# Altium PCB AIR_MOUNT23.PcbDoc (part 1 of 4) (continued)
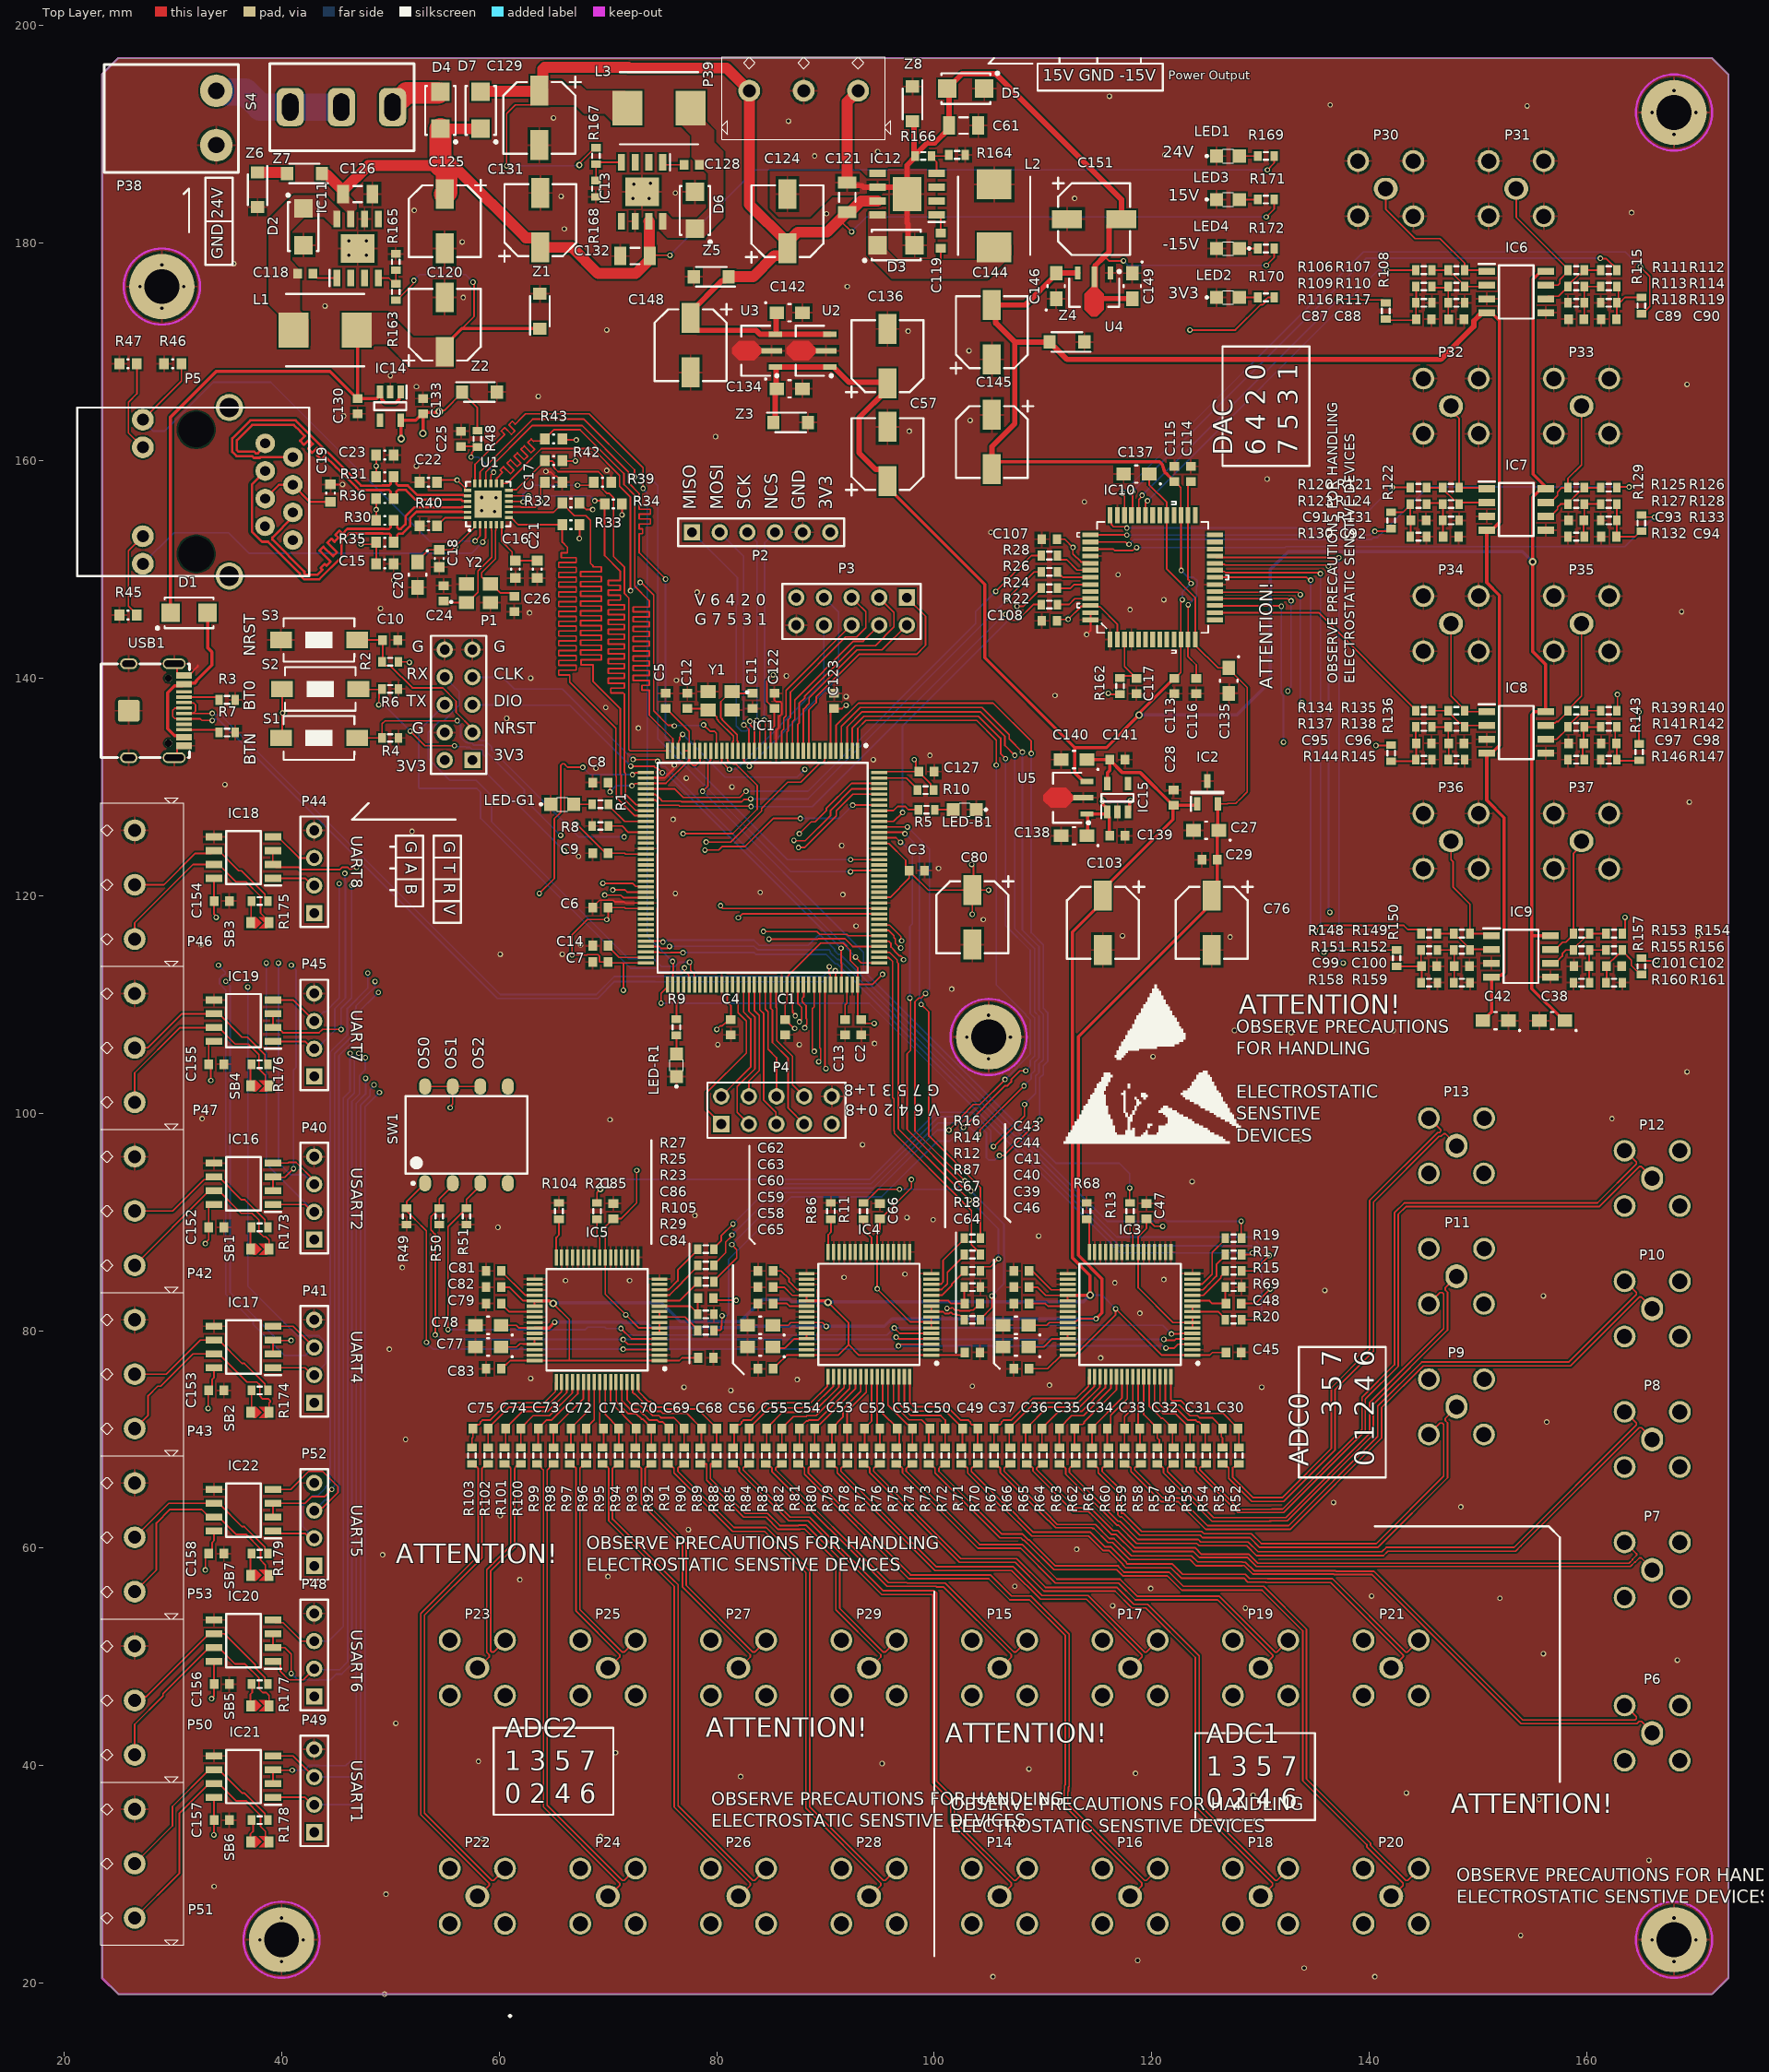
[diagram p0: Top Layer view]
## Components (designator, comment, footprint, x,y, rotation, side; value= is the part's Value field where it differs from the comment)
C1 "104" 1608[0603] 86.3,107.9 r90 top
C2 "104" 1608[0603] 93.3,107.9 r90 top
C3 "104" 1608[0603] 98.4,122.3 r180 top
C4 "104" 1608[0603] 81.3,107.9 r90 top
C5 "105" 1608[0603] 75.3,137.9 r270 top
C6 "104" 1608[0603] 69.3,118.9 r0 top
C7 "104" 1608[0603] 69.3,113.9 r0 top
C8 "104" 1608[0603] 69.3,130.4 r0 top
C9 "105" 1608[0603] 69.3,123.9 r0 top
C10 "104" 1608[0603] 50,143.5 r180 top
C11 "10pF" 1608[0603] 83.3,137.9 r270 top
C12 "10pF" 1608[0603] 77.3,137.9 r270 top
C13 "225" 1608[0603] 91.8,107.9 r90 top
C14 "225" 1608[0603] 69.3,115.4 r0 top
C15 "100nF" 0603C 49.5,150.5 r180 top
C16 "470pF" 0603C 61.5,150 r90 top value=100nF
C17 "100nF" 0603C 65,158 r180 top
C18 "100nF" 0603C 54.5,151 r90 top
C19 "100nF" 0603C 44.5,157 r270 top
C20 "10uF (106) ±10% 16V" CAPM3216X18N-CASE-A 52.5,149.5 r270 top
C21 "1uF_X5R_0603" 0603C 63.5,150 r270 top value=1�F
C22 "100nF" 0603C 53.5,158 r0 top
C23 "100nF" 0603C 49.5,160.5 r180 top
C24 "10pF" 1608[0603] 54.9,147.8 r90 top
C25 "104" 1608[0603] 56.5,162 r270 top
C26 "10pF" 1608[0603] 61.4,146.8 r90 top
C27 "10uF (106) ±10% 16V" CAPM3216X18N-CASE-A 125,126 r180 top
C28 "105" 1608[0603] 122,129 r270 top
C29 "105" 1608[0603] 125.3,123.3 r0 top
C30 "103" 1608[0603] 127.2,71 r0 top
C31 "103" 1608[0603] 124.2,71 r0 top
C32 "103" 1608[0603] 121.2,71 r0 top
C33 "103" 1608[0603] 118.2,71 r0 top
C34 "103" 1608[0603] 115.2,71 r0 top
C35 "103" 1608[0603] 112.2,71 r0 top
C36 "103" 1608[0603] 109.2,71 r0 top
C37 "103" 1608[0603] 106.2,71 r0 top
C38 "10uF (106) ±10% 16V" CAPM3216X18N-CASE-A 156.8,108.5 r180 top
C39 "10uF (106) ±10% 16V" CAPM3216X18N-CASE-A 107.5,78.5 r180 top
C40 "10uF (106) ±10% 16V" CAPM3216X18N-CASE-A 107.5,80.5 r180 top
C41 "105" 1608[0603] 108,82.5 r0 top
C42 "10uF (106) ±10% 16V" CAPM3216X18N-CASE-A 151.6,108.5 r180 top
C43 "105" 1608[0603] 108,85.5 r0 top
C44 "224" 1608[0603] 108,84 r0 top
C45 "224" 1608[0603] 127.5,78 r180 top
C46 "224" 1608[0603] 108,76.5 r0 top
C47 "224" 1608[0603] 119.5,91 r270 top
C48 "104" 1608[0603] 127.5,82.5 r180 top
C49 "103" 1608[0603] 103.3,71 r0 top
C50 "103" 1608[0603] 100.3,71 r0 top
C51 "103" 1608[0603] 97.3,71 r0 top
C52 "103" 1608[0603] 94.3,71 r0 top
C53 "103" 1608[0603] 91.3,71 r0 top
C54 "103" 1608[0603] 88.3,71 r0 top
C55 "103" 1608[0603] 85.3,71 r0 top
C56 "103" 1608[0603] 82.3,71 r0 top
C57 "100uF/35V" CAPAE7066X77L 95.7,160.6 r90 top
C58 "10uF (106) ±10% 16V" CAPM3216X18N-CASE-A 84,78.5 r180 top
C59 "10uF (106) ±10% 16V" CAPM3216X18N-CASE-A 84,80.5 r180 top
C60 "105" 1608[0603] 84.5,82.5 r0 top
C61 "106/50V" C1206 102.7,190.8 r0 top
C62 "105" 1608[0603] 84.5,85.5 r0 top
C63 "224" 1608[0603] 84.5,84 r0 top
C64 "224" 1608[0603] 103.5,78 r180 top
C65 "224" 1608[0603] 84.5,76.5 r0 top
C66 "224" 1608[0603] 95,91 r270 top
C67 "104" 1608[0603] 103.5,82.5 r180 top
C68 "103" 1608[0603] 79.3,71 r0 top
C69 "103" 1608[0603] 76.3,71 r0 top
C70 "103" 1608[0603] 73.3,71 r0 top
C71 "103" 1608[0603] 70.3,71 r0 top
C72 "103" 1608[0603] 67.3,71 r0 top
C73 "103" 1608[0603] 64.3,71 r0 top
C74 "103" 1608[0603] 61.3,71 r0 top
C75 "103" 1608[0603] 58.3,71 r0 top
C76 "100uF/35V" CAPAE7066X77L 125.5,117.5 r270 top
C77 "10uF (106) ±10% 16V" CAPM3216X18N-CASE-A 59,78.5 r180 top
C78 "10uF (106) ±10% 16V" CAPM3216X18N-CASE-A 59,80.5 r180 top
C79 "105" 1608[0603] 59.5,82.5 r0 top
C80 "100uF/35V" CAPAE7066X77L 103.5,118 r270 top
C81 "105" 1608[0603] 59.5,85.5 r0 top
C82 "224" 1608[0603] 59.5,84 r0 top
C83 "224" 1608[0603] 59.5,76.5 r0 top
C84 "224" 1608[0603] 79,77.5 r180 top
C85 "224" 1608[0603] 70.5,91 r270 top
C86 "104" 1608[0603] 79,83 r180 top
C87 "100p" 1608[0603] 145,173 r180 top
C88 "100p" 1608[0603] 148,173 r180 top
C89 "100p" 1608[0603] 159,173 r0 top
C90 "100p" 1608[0603] 162,173 r0 top
C91 "100p" 1608[0603] 144.5,154.5 r180 top
C92 "100p" 1608[0603] 147.5,153 r180 top
C93 "100p" 1608[0603] 159,154.5 r0 top
C94 "100p" 1608[0603] 162,153 r0 top
C95 "100p" 1608[0603] 145,134 r180 top
C96 "100p" 1608[0603] 148,134 r180 top
C97 "100p" 1608[0603] 159,134 r0 top
C98 "100p" 1608[0603] 162,134 r0 top
C99 "100p" 1608[0603] 145.5,113.5 r180 top
C100 "100p" 1608[0603] 148.5,113.5 r180 top
C101 "100p" 1608[0603] 159.5,113.5 r0 top
C102 "100p" 1608[0603] 162.5,113.5 r180 top
C103 "100uF/35V" CAPAE7066X77L 115.5,117.5 r270 top
C107 "104" 1608[0603] 110.579,152.764 r0 top
C108 "104" 1608[0603] 110.579,145.264 r0 top
C113 "104" 1608[0603] 122.079,139.264 r90 top
C114 "104" 1608[0603] 123.579,158.764 r270 top
C115 "104" 1608[0603] 122.079,158.764 r90 top
C116 "104" 1608[0603] 124.079,139.264 r270 top
C117 "104" 1608[0603] 118.579,139.264 r90 top
C118 "104" 1608[0603] 42.2,177.2 r0 top
C119 "104" 1608[0603] 100.6,180.2 r90 top
C120 "100uF/35V" CAPAE7066X77L 55,172.5 r90 top
C121 "106/50V" C1206 92,184.2 r90 top
C122 "104" 1608[0603] 85.3,137.9 r270 top
C123 "104" 1608[0603] 90.8,137.9 r270 top
C124 "100uF/35V" CAPAE7066X77L 86.5,182 r90 top
C125 "100uF/35V" CAPAE7066X77L 55,182 r270 top
C126 "106/50V" C1206 47,184.5 r0 top
C127 "104" 1608[0603] 99.3,131.4 r180 top
C128 "104" 1608[0603] 77.7,187.2 r180 top
C129 "100uF/35V" CAPAE7066X77L 63.7,191.5 r270 top
C130 "225" 1608[0603] 47,165 r90 top
C131 "100uF/35V" CAPAE7066X77L 63.8,182.1 r90 top
C132 "106/50V" C1206 72.5,178.8 r180 top
C133 "225" 1608[0603] 53,165 r270 top
C134 "10uF (106) ±10% 16V" CAPM3216X18N-CASE-A 86.7,166.6 r0 top
C135 "10uF (106) ±10% 16V" CAPM3216X18N-CASE-A 127.079,139.764 r270 top
C136 "100uF/35V" CAPAE7066X77L 95.7,169.6 r90 top
C137 "10uF (106) ±10% 16V" CAPM3216X18N-CASE-A 118.579,158.764 r180 top
C138 "10uF (106) ±10% 16V" CAPM3216X18N-CASE-A 112.85,125.5 r180 top
C139 "225" 1608[0603] 116.85,125.5 r180 top
C140 "10uF (106) ±10% 16V" CAPM3216X18N-CASE-A 112.85,132.5 r180 top
C141 "225" 1608[0603] 116.85,132.5 r180 top
C142 "10uF (106) ±10% 16V" CAPM3216X18N-CASE-A 86.7,173.6 r0 top
C144 "100uF/35V" CAPAE7066X77L 105.3,171.8 r90 top
C145 "100uF/35V" CAPAE7066X77L 105.3,161.7 r270 top
C146 "10uF (106) ±10% 16V" CAPM3216X18N-CASE-A 111.2,176.05 r90 top
C148 "100uF/35V" CAPAE7066X77L 77.6,170.6 r270 top
C149 "10uF (106) ±10% 16V" CAPM3216X18N-CASE-A 118.2,176.05 r270 top
C151 "100uF/35V" CAPAE7066X77L 114.7,182.2 r0 top
C152 "104" 1608[0603] 34,89.5 r180 top
C153 "104" 1608[0603] 34,74.5 r180 top
C154 "104" 1608[0603] 34.5,119.5 r180 top
C155 "104" 1608[0603] 34,104.5 r180 top
C156 "104" 1608[0603] 34.5,47.5 r180 top
C157 "104" 1608[0603] 34.5,35 r180 top
C158 "104" 1608[0603] 34,59.5 r180 top
D1 "SS14" DO-214AC-SMA 31.5,146 r180 top
D2 "SS14" DO-214AC-SMA 42,181.5 r90 top
D3 "SS14" DO-214AC-SMA 96.5,179.8 r180 top
D4 "SS14" DO-214AC-SMA 54.6,192.2 r270 top
D5 "SS14" DO-214AC-SMA 102.9,194.2 r0 top
D6 "SS14" DO-214AC-SMA 78,183 r270 top
D7 "SS14" DO-214AC-SMA 58.3,192.2 r270 top
IC1 "STM32F429ZIT6" QFP50P2200X2200X160-144N 84.215,122.569 r270 top
IC2 "REF3025AIDBZR" SOT95P237X112-3N 125.108,129.489 r90 top
IC3 "AD7606BBSTZ" QFP50P1200X1200X160-64N 118,81.5 r180 top
IC4 "AD7606BBSTZ" QFP50P1200X1200X160-64N 94,81.5 r180 top
IC5 "AD7606BBSTZ" QFP50P1200X1200X160-64N 69,81 r180 top
IC6 "OPA2197IDR" SOIC127P600X175-8N 153.5,175.5 r0 top
IC7 "OPA2197IDR" SOIC127P600X175-8N 153.5,155.5 r0 top
IC8 "OPA2197IDR" SOIC127P600X175-8N 153.5,135 r0 top
IC9 "OPA2197IDR" SOIC127P600X175-8N 153.934,114.416 r0 top
IC10 "AD5360BSTZ" QFP65P1200X1200X160-52N 120.079,149.264 r90 top
IC11 "TPS5430DDAR" SOIC127P600X170-9N 47,179.5 r90 top
IC12 "TPS5430DDAR" SOIC127P600X170-9N 97.5,184.5 r180 top
IC13 "TPS5430DDAR" SOIC127P600X170-9N 73.135,184.712 r270 top
IC14 "ME6211C33" SOT95P282X145-5N 50,165 r270 top
IC15 "ME6211C50" SOT95P282X145-5N 116.85,129 r90 top
IC16 "MAX3485EESA+" SOIC127P600X175-8N 36.5,93.5 r180 top
IC17 "MAX3485EESA+" SOIC127P600X175-8N 36.5,78.5 r180 top
IC18 "MAX3485EESA+" SOIC127P600X175-8N 36.5,123.5 r180 top
IC19 "MAX3485EESA+" SOIC127P600X175-8N 36.5,108.5 r180 top
IC20 "MAX3485EESA+" SOIC127P600X175-8N 36.5,51.5 r180 top
IC21 "MAX3485EESA+" SOIC127P600X175-8N 36.5,39 r180 top
IC22 "MAX3485EESA+" SOIC127P600X175-8N 36.5,63.5 r180 top
L1 "47uH" INDPM7266X300N 44,172 r0 top
L2 "47uH" INDPM7266X300N 105.5,182.5 r90 top
L3 "47uH" INDPM7266X300N 74.7,192.4 r180 top
LED1 "LED0805" LED0805 127,188 r0 top
LED2 "LED0805" LED0805 127,175 r0 top
LED3 "LED0805" LED0805 127,184 r0 top
LED4 "LED0805" LED0805 127,179.5 r180 top
LED-B1 "LED0805" LED0805 102.8,127.9 r180 top
LED-G1 "LED0805" LED0805 65.8,128.4 r0 top
LED-R1 "LED0805" LED0805 76.3,104.4 r90 top
P1 "Header 5X2" HDR2X5 57.54,132.46 r90 top
P2 "Header 6" HDR1X6 77.74,153.4 r0 top
P3 "Header 5X2" HDR2X5 97.48,147.4 r180 top
P4 "Header 5X2" HDR2X5 80.42,99 r0 top
P5 "HY911105A" HR911105A 32.15,162.845 r90 top
P6 "BNC" SMA-KH-SMA-KE-Z 166,43 r180 top
P7 "BNC" SMA-KH-SMA-KE-Z 166,58 r180 top
P8 "BNC" SMA-KH-SMA-KE-Z 166,70 r180 top
P9 "BNC" SMA-KH-SMA-KE-Z 148,73 r180 top
P10 "BNC" SMA-KH-SMA-KE-Z 166,82 r180 top
P11 "BNC" SMA-KH-SMA-KE-Z 148,85 r180 top
P12 "BNC" SMA-KH-SMA-KE-Z 166,94 r180 top
P13 "BNC" SMA-KH-SMA-KE-Z 148,97 r180 top
P14 "BNC" SMA-KH-SMA-KE-Z 106,28 r90 top
P15 "BNC" SMA-KH-SMA-KE-Z 106,49 r90 top
P16 "BNC" SMA-KH-SMA-KE-Z 118,28 r90 top
P17 "BNC" SMA-KH-SMA-KE-Z 118,49 r90 top
P18 "BNC" SMA-KH-SMA-KE-Z 130,28 r90 top
P19 "BNC" SMA-KH-SMA-KE-Z 130,49 r90 top
P20 "BNC" SMA-KH-SMA-KE-Z 142,28 r90 top
P21 "BNC" SMA-KH-SMA-KE-Z 142,49 r90 top
P22 "BNC" SMA-KH-SMA-KE-Z 58,28 r90 top
P23 "BNC" SMA-KH-SMA-KE-Z 58,49 r90 top
P24 "BNC" SMA-KH-SMA-KE-Z 70,28 r90 top
P25 "BNC" SMA-KH-SMA-KE-Z 70,49 r90 top
P26 "BNC" SMA-KH-SMA-KE-Z 82,28 r90 top
P27 "BNC" SMA-KH-SMA-KE-Z 82,49 r90 top
P28 "BNC" SMA-KH-SMA-KE-Z 94,28 r90 top
P29 "BNC" SMA-KH-SMA-KE-Z 94,49 r90 top
P30 "BNC" SMA-KH-SMA-KE-Z 141.5,185 r90 top
P31 "BNC" SMA-KH-SMA-KE-Z 153.5,185 r90 top
P32 "BNC" SMA-KH-SMA-KE-Z 147.5,165 r90 top
P33 "BNC" SMA-KH-SMA-KE-Z 159.5,165 r90 top
P34 "BNC" SMA-KH-SMA-KE-Z 147.5,145 r90 top
P35 "BNC" SMA-KH-SMA-KE-Z 159.5,145 r90 top
P36 "BNC" SMA-KH-SMA-KE-Z 147.5,125 r90 top
P37 "BNC" SMA-KH-SMA-KE-Z 159.5,125 r90 top
P38 "Header 2" CONNECT_POWER 35.4,186.5 r90 top
P39 "Header 3" PinSocket_1X03_P5.00MM 93,194 r180 top
P40 "Header 4" HDR1X4 43,88.38 r90 top
P41 "Header 4" HDR1X4 43,73.38 r90 top
P42 "Header 3" PinSocket_1X03_P5.00MM 26.5,96 r270 top
P43 "Header 3" PinSocket_1X03_P5.00MM 26.5,81 r270 top
P44 "Header 4" HDR1X4 43,118.38 r90 top
P45 "Header 4" HDR1X4 43,103.38 r90 top
P46 "Header 3" PinSocket_1X03_P5.00MM 26.5,126 r270 top
P47 "Header 3" PinSocket_1X03_P5.00MM 26.5,111 r270 top
P48 "Header 4" HDR1X4 43,46.38 r90 top
P49 "Header 4" HDR1X4 43,33.88 r90 top
P50 "Header 3" PinSocket_1X03_P5.00MM 26.5,51 r270 top
P51 "Header 3" PinSocket_1X03_P5.00MM 26.5,36 r270 top
P52 "Header 4" HDR1X4 43,58.38 r90 top
P53 "Header 3" PinSocket_1X03_P5.00MM 26.5,66 r270 top
R1 "10k" J1-0603 69.3,128.4 r0 top
R2 "100k" J1-0603 50,141.5 r0 top
R3 "5.1k" J1-0603 35,138 r0 top
R4 "10k" J1-0603 50,134.5 r0 top
R5 "10k" J1-0603 99.3,127.9 r180 top
R6 "10k" J1-0603 50,139 r180 top
R7 "5.1k" J1-0603 35,135 r0 top
R8 "10k" J1-0603 69.3,126.4 r0 top
R9 "10k" J1-0603 76.3,107.9 r90 top
R10 "10k" J1-0603 99.2,129.7 r0 top
R11 "10" J1-0603 93.5,91 r270 top
R12 "10" J1-0603 103.5,85.5 r180 top
R13 "10" J1-0603 118,91 r270 top
R14 "10" J1-0603 103.5,87 r180 top
R15 "10" J1-0603 127.5,85.5 r180 top
R16 "10" J1-0603 103.5,88.5 r180 top
R17 "10" J1-0603 127.5,87 r180 top
R18 "10" J1-0603 103.5,81 r180 top
R19 "10" J1-0603 127.5,88.5 r180 top
R20 "10" J1-0603 127.5,81 r180 top
R21 "10" J1-0603 69,91 r270 top
R22 "10" J1-0603 110.579,146.764 r0 top
R23 "10" J1-0603 79,84.5 r180 top
R24 "10" J1-0603 110.579,148.264 r0 top
R25 "10" J1-0603 79,86 r180 top
R26 "10" J1-0603 110.579,149.764 r0 top
R27 "10" J1-0603 79,87.5 r180 top
R28 "10" J1-0603 110.579,151.264 r0 top
R29 "10" J1-0603 79,80 r180 top
R30 "50" 0603R 49.5,154.5 r180 top
R31 "50" 0603R 49.5,158.5 r180 top
R32 "10K" 0603R 66.6,156.1 r180 top
R33 "10K" 0603R 66.6,154.1 r180 top
R34 "10K" 0603R 70.5,156 r180 top
R35 "50" 0603R 49.5,152.5 r180 top
R36 "50" 0603R 49.5,156.5 r180 top
R39 "10K" 0603R 69.5,158 r0 top
R40 "12K1" 0603R 53.5,154 r180 top
R42 "1K5" 0603R 65,160 r0 top
R43 "10K" 0603R 65,162 r180 top
R45 "270" 0603R 25.9,145.8 r180 top value=10K
R46 "10K" 0603R 30,168.9 r180 top
R47 "270" 0603R 25.9,168.9 r180 top value=10K
R48 "100k" J1-0603 58,162 r90 top
R49 "10k" J1-0603 51.5,90.5 r270 top
R50 "10k" J1-0603 54.5,90.5 r270 top
R51 "10k" J1-0603 57,90.5 r270 top
R52 "1k(1%)" J1-0603 128,68.5 r90 top
R53 "1k(1%)" J1-0603 126.5,68.5 r90 top
R54 "1k(1%)" J1-0603 125,68.5 r90 top
R55 "1k(1%)" J1-0603 123.5,68.5 r90 top
R56 "1k(1%)" J1-0603 122,68.5 r90 top
R57 "1k(1%)" J1-0603 120.5,68.5 r90 top
R58 "1k(1%)" J1-0603 119,68.5 r90 top
R59 "1k(1%)" J1-0603 117.5,68.5 r90 top
R60 "1k(1%)" J1-0603 116,68.5 r90 top
R61 "1k(1%)" J1-0603 114.5,68.5 r90 top
R62 "1k(1%)" J1-0603 113,68.5 r90 top
R63 "1k(1%)" J1-0603 111.5,68.5 r90 top
R64 "1k(1%)" J1-0603 110,68.5 r90 top
R65 "1k(1%)" J1-0603 108.5,68.5 r90 top
R66 "1k(1%)" J1-0603 107,68.5 r90 top
R67 "1k(1%)" J1-0603 105.5,68.5 r90 top
R68 "10k" J1-0603 114,91 r270 top
R69 "100k" J1-0603 127.5,84 r0 top
R70 "1k(1%)" J1-0603 104,68.5 r90 top
R71 "1k(1%)" J1-0603 102.5,68.5 r90 top
R72 "1k(1%)" J1-0603 101,68.5 r90 top
R73 "1k(1%)" J1-0603 99.5,68.5 r90 top
R74 "1k(1%)" J1-0603 98,68.5 r90 top
R75 "1k(1%)" J1-0603 96.5,68.5 r90 top
R76 "1k(1%)" J1-0603 95,68.5 r90 top
R77 "1k(1%)" J1-0603 93.5,68.5 r90 top
R78 "1k(1%)" J1-0603 92,68.5 r90 top
R79 "1k(1%)" J1-0603 90.5,68.5 r90 top
R80 "1k(1%)" J1-0603 89,68.5 r90 top
R81 "1k(1%)" J1-0603 87.5,68.5 r90 top
R82 "1k(1%)" J1-0603 86,68.5 r90 top
R83 "1k(1%)" J1-0603 84.5,68.5 r90 top
R84 "1k(1%)" J1-0603 83,68.5 r90 top
R85 "1k(1%)" J1-0603 81.5,68.5 r90 top
R86 "10k" J1-0603 90.5,91 r270 top
R87 "100k" J1-0603 103.5,84 r0 top
R88 "1k(1%)" J1-0603 80,68.5 r90 top
R89 "1k(1%)" J1-0603 78.5,68.5 r90 top
R90 "1k(1%)" J1-0603 77,68.5 r90 top
R91 "1k(1%)" J1-0603 75.5,68.5 r90 top
R92 "1k(1%)" J1-0603 74,68.5 r90 top
R93 "1k(1%)" J1-0603 72.5,68.5 r90 top
R94 "1k(1%)" J1-0603 71,68.5 r90 top
R95 "1k(1%)" J1-0603 69.5,68.5 r90 top
R96 "1k(1%)" J1-0603 68,68.5 r90 top
R97 "1k(1%)" J1-0603 66.5,68.5 r90 top
R98 "1k(1%)" J1-0603 65,68.5 r90 top
R99 "1k(1%)" J1-0603 63.5,68.5 r90 top
R100 "1k(1%)" J1-0603 62,68.5 r90 top
R101 "1k(1%)" J1-0603 60.5,68.5 r90 top
R102 "1k(1%)" J1-0603 59,68.5 r90 top
R103 "1k(1%)" J1-0603 57.5,68.5 r90 top
R104 "10k" J1-0603 65.5,91 r270 top
R105 "100k" J1-0603 79,81.5 r0 top
R106 "10k(1%)" J1-0603 145,177.5 r0 top
R107 "20k(1%)" J1-0603 148,177.5 r0 top
R108 "20k(1%)" J1-0603 141.5,173.75 r270 top
R109 "20k(1%)" J1-0603 145,176 r0 top
R110 "20k(1%)" J1-0603 148,176 r0 top
R111 "20k(1%)" J1-0603 159,177.5 r180 top
R112 "10k(1%)" J1-0603 162,177.5 r180 top
R113 "20k(1%)" J1-0603 159,176 r180 top
R114 "20k(1%)" J1-0603 162,176 r180 top
R115 "20k(1%)" J1-0603 165,174.25 r90 top
R116 "1k(1%)" J1-0603 145,174.5 r180 top
R117 "1k(1%)" J1-0603 148,174.5 r180 top
R118 "1k(1%)" J1-0603 159,174.5 r0 top
R119 "1k(1%)" J1-0603 162,174.5 r0 top
R120 "10k(1%)" J1-0603 144.5,157.5 r0 top
R121 "20k(1%)" J1-0603 147.5,157.5 r0 top
R122 "20k(1%)" J1-0603 142,154.5 r90 top
R123 "20k(1%)" J1-0603 144.5,156 r0 top
R124 "20k(1%)" J1-0603 147.5,156 r0 top
R125 "20k(1%)" J1-0603 159,157.5 r180 top
R126 "10k(1%)" J1-0603 162,157.5 r180 top
R127 "20k(1%)" J1-0603 159,156 r180 top
R128 "20k(1%)" J1-0603 162,156 r180 top
R129 "20k(1%)" J1-0603 165,154.25 r270 top
R130 "1k(1%)" J1-0603 144.5,153 r180 top
R131 "1k(1%)" J1-0603 147.5,154.5 r180 top
R132 "1k(1%)" J1-0603 159,153 r0 top
R133 "1k(1%)" J1-0603 162,154.5 r0 top
R134 "10k(1%)" J1-0603 145,137 r0 top
R135 "20k(1%)" J1-0603 148,137 r0 top
R136 "20k(1%)" J1-0603 142,133.1 r270 top
R137 "20k(1%)" J1-0603 145,135.5 r0 top
R138 "20k(1%)" J1-0603 148,135.5 r0 top
R139 "20k(1%)" J1-0603 159,137 r180 top
R140 "10k(1%)" J1-0603 162,137 r180 top
R141 "20k(1%)" J1-0603 159,135.5 r180 top
R142 "20k(1%)" J1-0603 162,135.5 r180 top
R143 "20k(1%)" J1-0603 164.8,133.2 r270 top
R144 "1k(1%)" J1-0603 145,132.5 r180 top
R145 "1k(1%)" J1-0603 148,132.5 r180 top
R146 "1k(1%)" J1-0603 159,132.5 r0 top
R147 "1k(1%)" J1-0603 162,132.5 r0 top
R148 "10k(1%)" J1-0603 145.5,116.5 r0 top
R149 "20k(1%)" J1-0603 148.5,116.5 r0 top
R150 "20k(1%)" J1-0603 142.5,114.25 r270 top
R151 "20k(1%)" J1-0603 145.5,115 r0 top
R152 "20k(1%)" J1-0603 148.5,115 r0 top
R153 "20k(1%)" J1-0603 159.5,116.5 r180 top
R154 "10k(1%)" J1-0603 162.5,116.5 r180 top
R155 "20k(1%)" J1-0603 159.5,115 r180 top
R156 "20k(1%)" J1-0603 162.5,115 r180 top
R157 "20k(1%)" J1-0603 165,113.5 r270 top
R158 "1k(1%)" J1-0603 145.5,112 r180 top
R159 "1k(1%)" J1-0603 148.5,112 r180 top
R160 "1k(1%)" J1-0603 159.5,112 r0 top
R161 "1k(1%)" J1-0603 162.5,112 r180 top
R162 "100k" J1-0603 117.079,139.264 r270 top
R163 "12k" J1-0603 50.5,175.5 r270 top
R164 "12k" J1-0603 102.1,188.1 r0 top
R165 "3.9k" J1-0603 50.5,178.25 r270 top
R166 "1,1k" J1-0603 99,188 r0 top
R167 "12k" J1-0603 68.9,188 r90 top
R168 "1.1k" J1-0603 68.9,185 r90 top
R169 "100k" J1-0603 130.5,188 r0 top
R170 "10k" J1-0603 130.5,175 r0 top
R171 "100k" J1-0603 130.5,184 r0 top
R172 "100k" J1-0603 130.5,179.5 r0 top
R173 "120" J1-0603 38,89.5 r0 top
R174 "120" J1-0603 38,74.5 r0 top
R175 "120" J1-0603 38,119.5 r0 top
R176 "120" J1-0603 38,104.5 r0 top
R177 "120" J1-0603 38,47.5 r0 top